# Altium PCB WX0.012.307PCB-4.2.PcbDoc (part 1 of 2)
Units mil, origin at the board's own origin, x right, y up, seen from the top; angles counter-clockwise.
Board outline 4856.3 x 9472.39 mil, 4 copper layers (Top Layer, GND, VCC, Bottom Layer), stack 62.248 mil thick; 200 components, 147 nets, 622 pads, 336 vias.
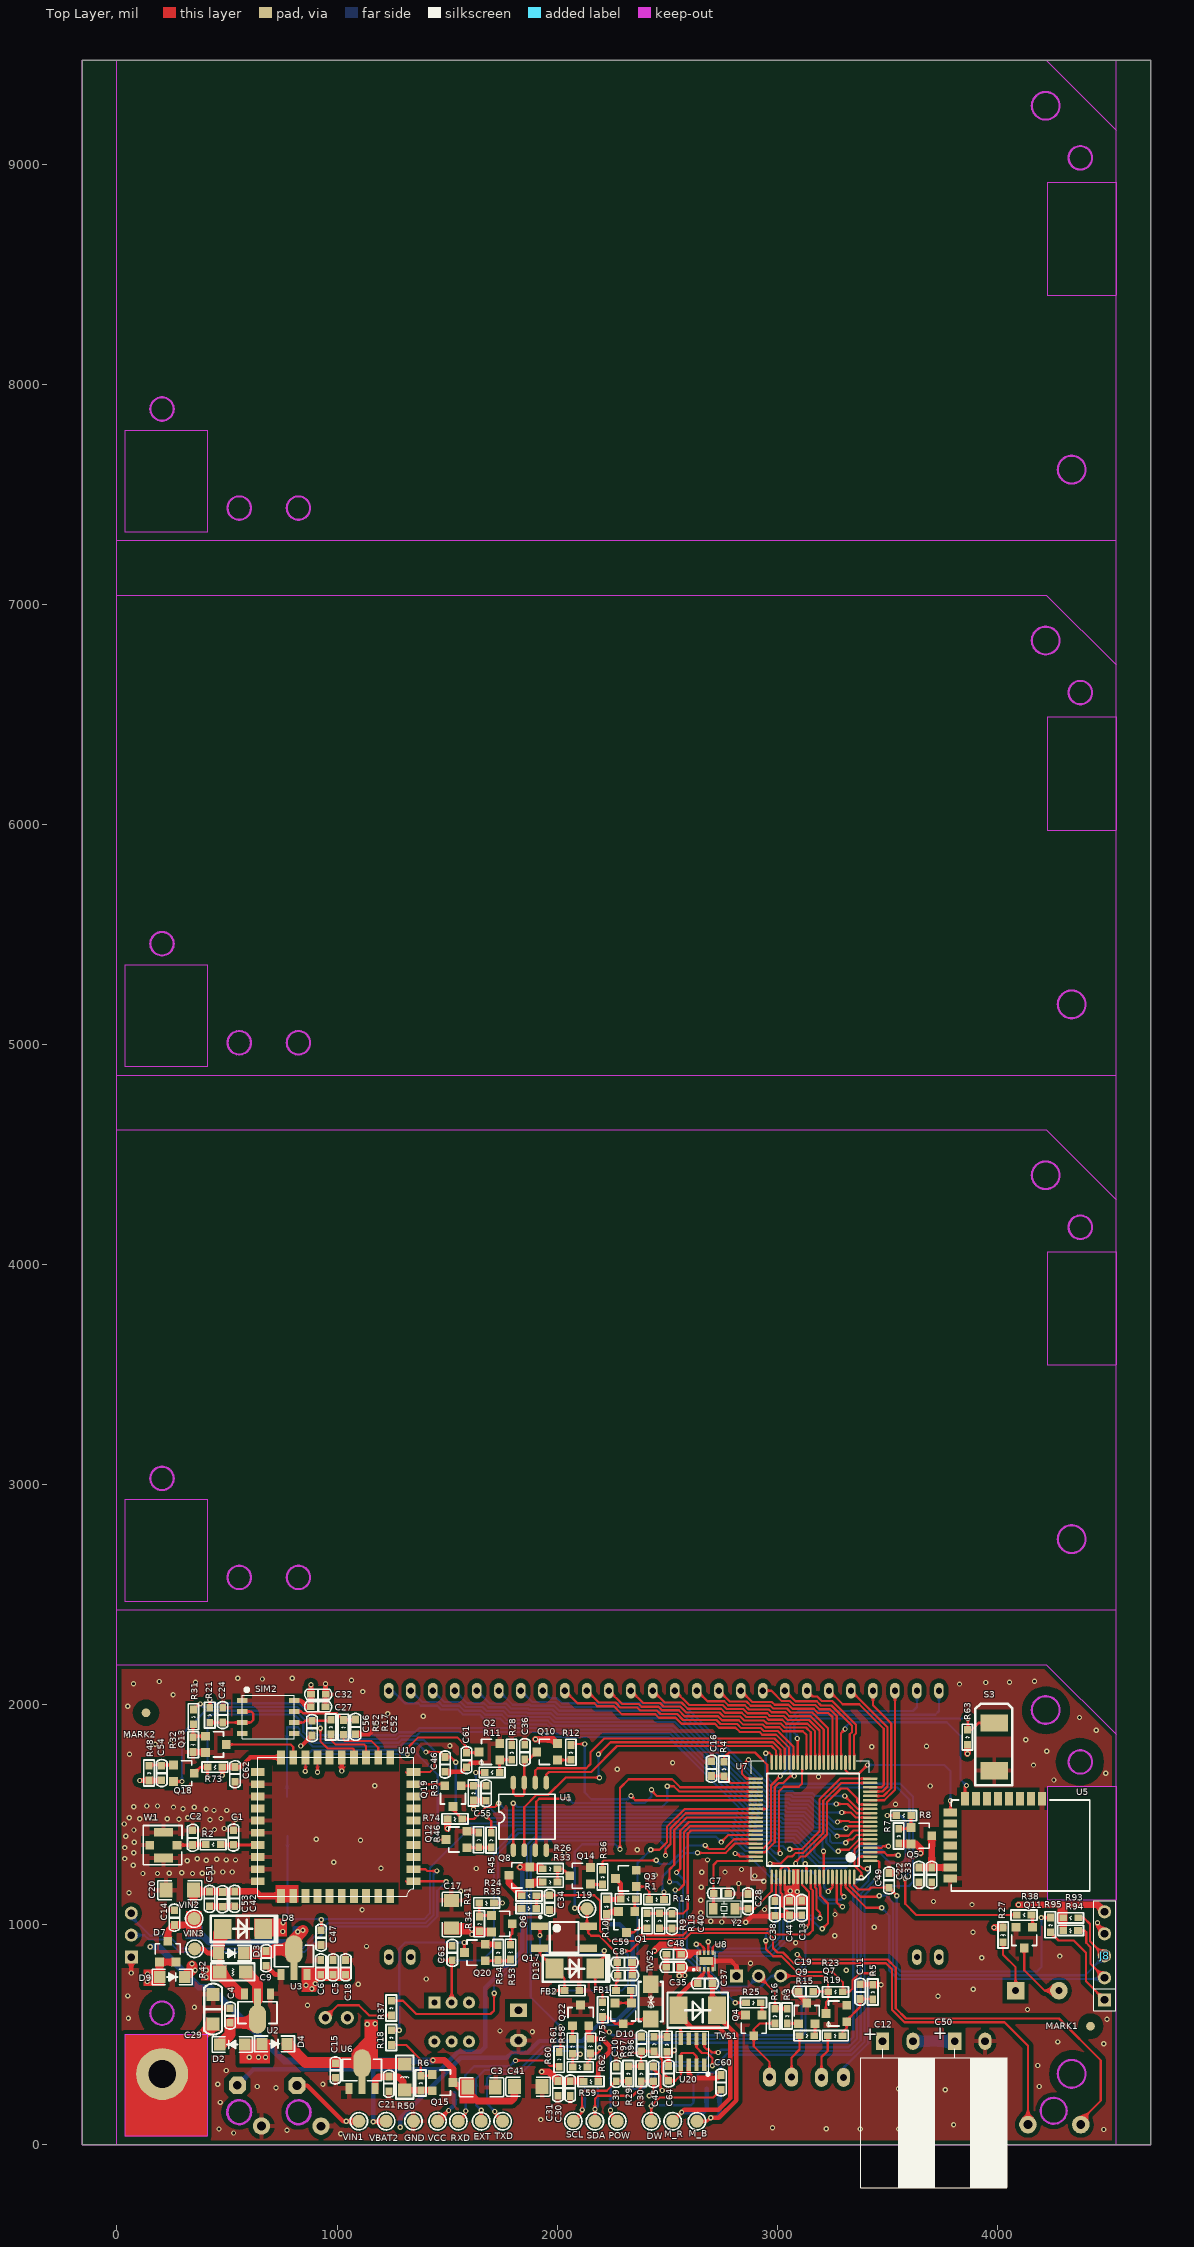
[diagram p0: Top Layer view]
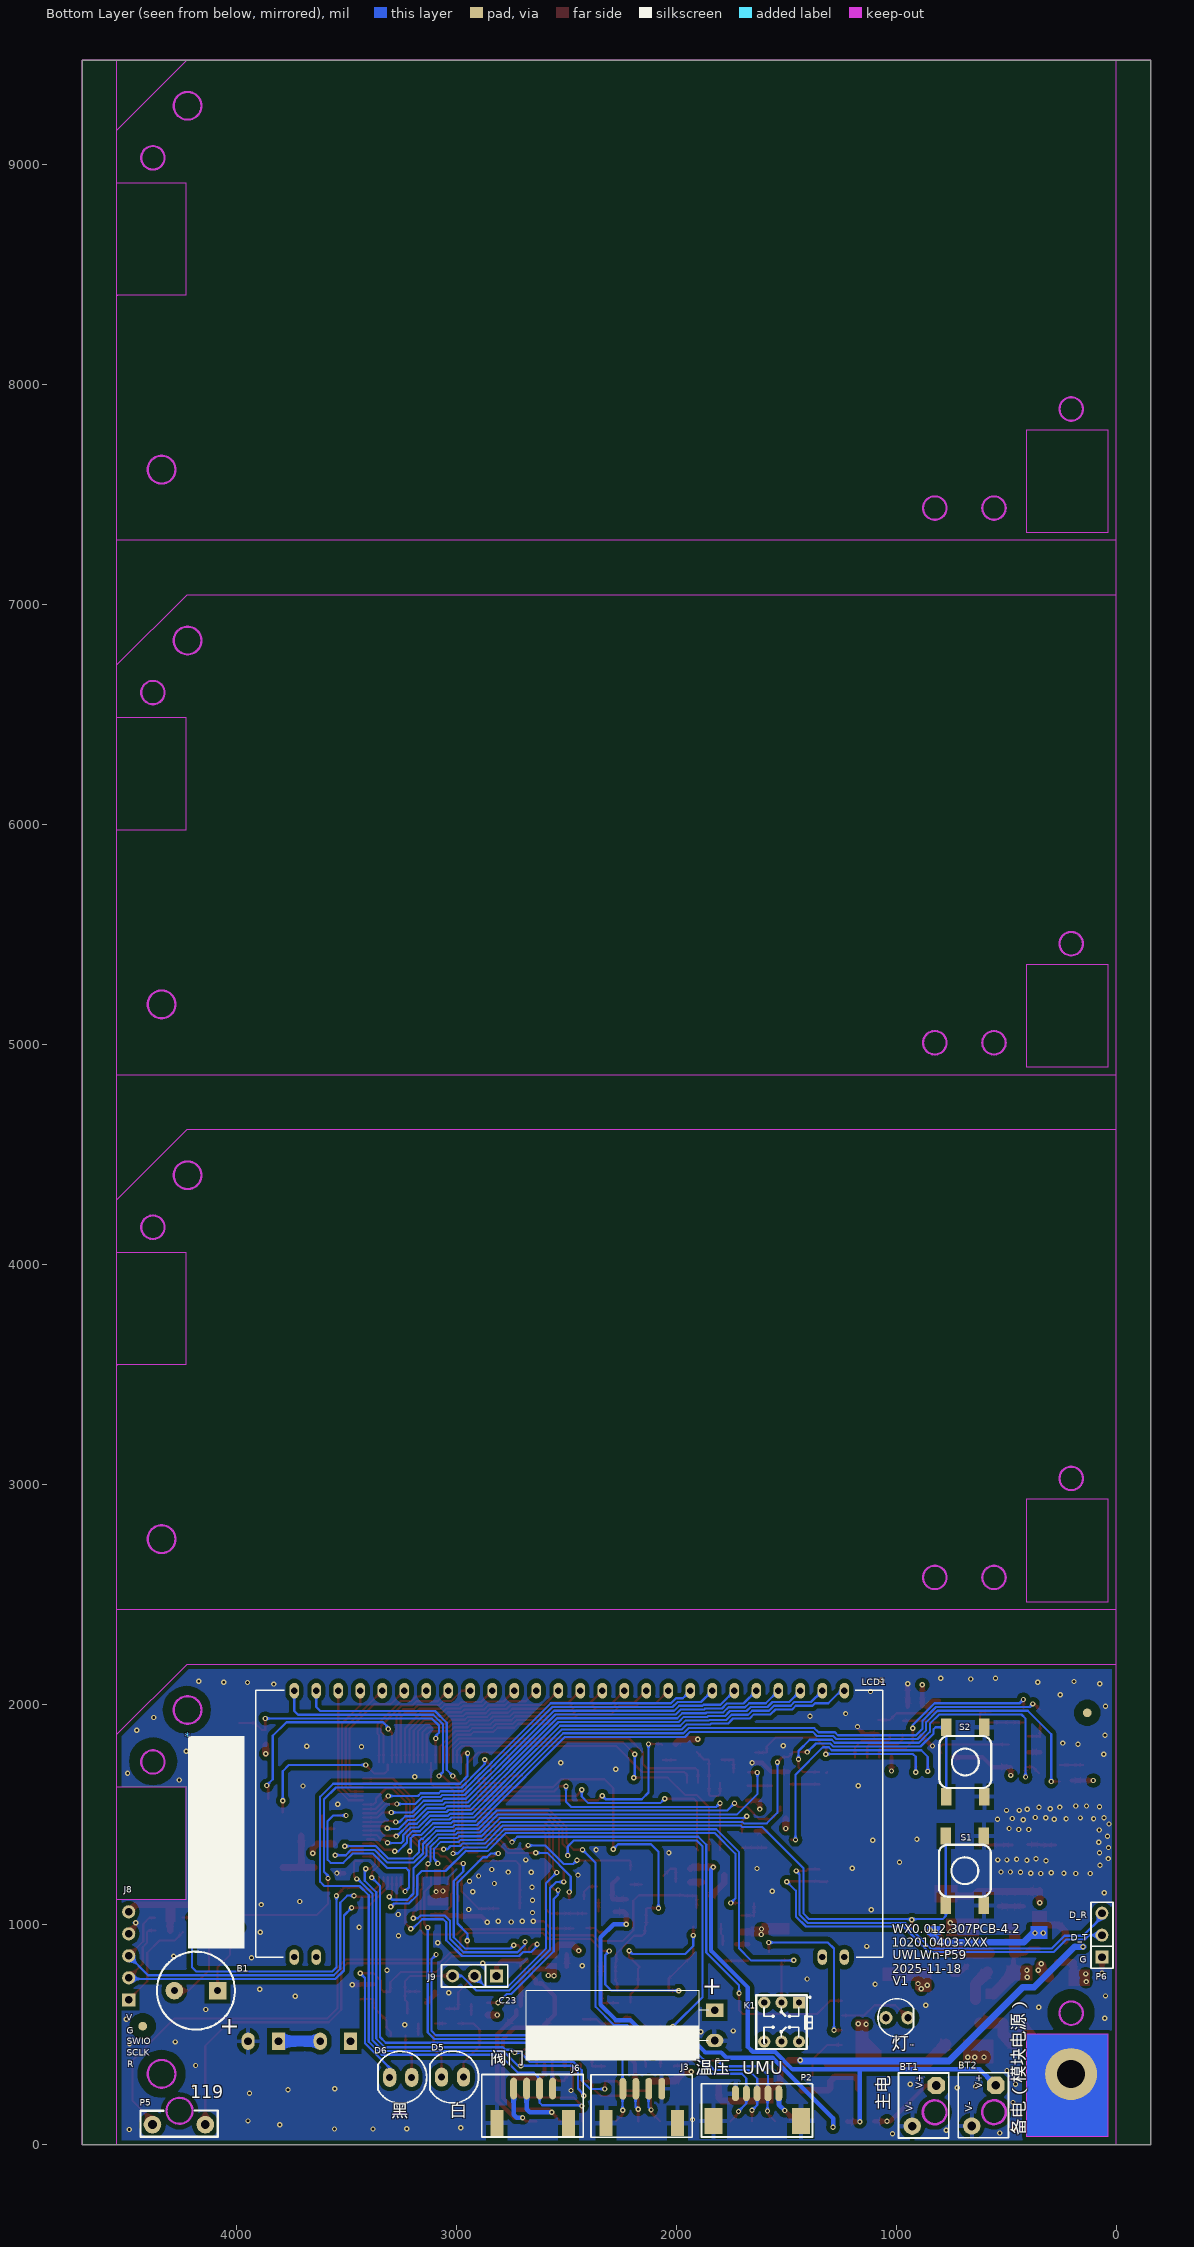
[diagram p1: Bottom Layer view, seen from below]
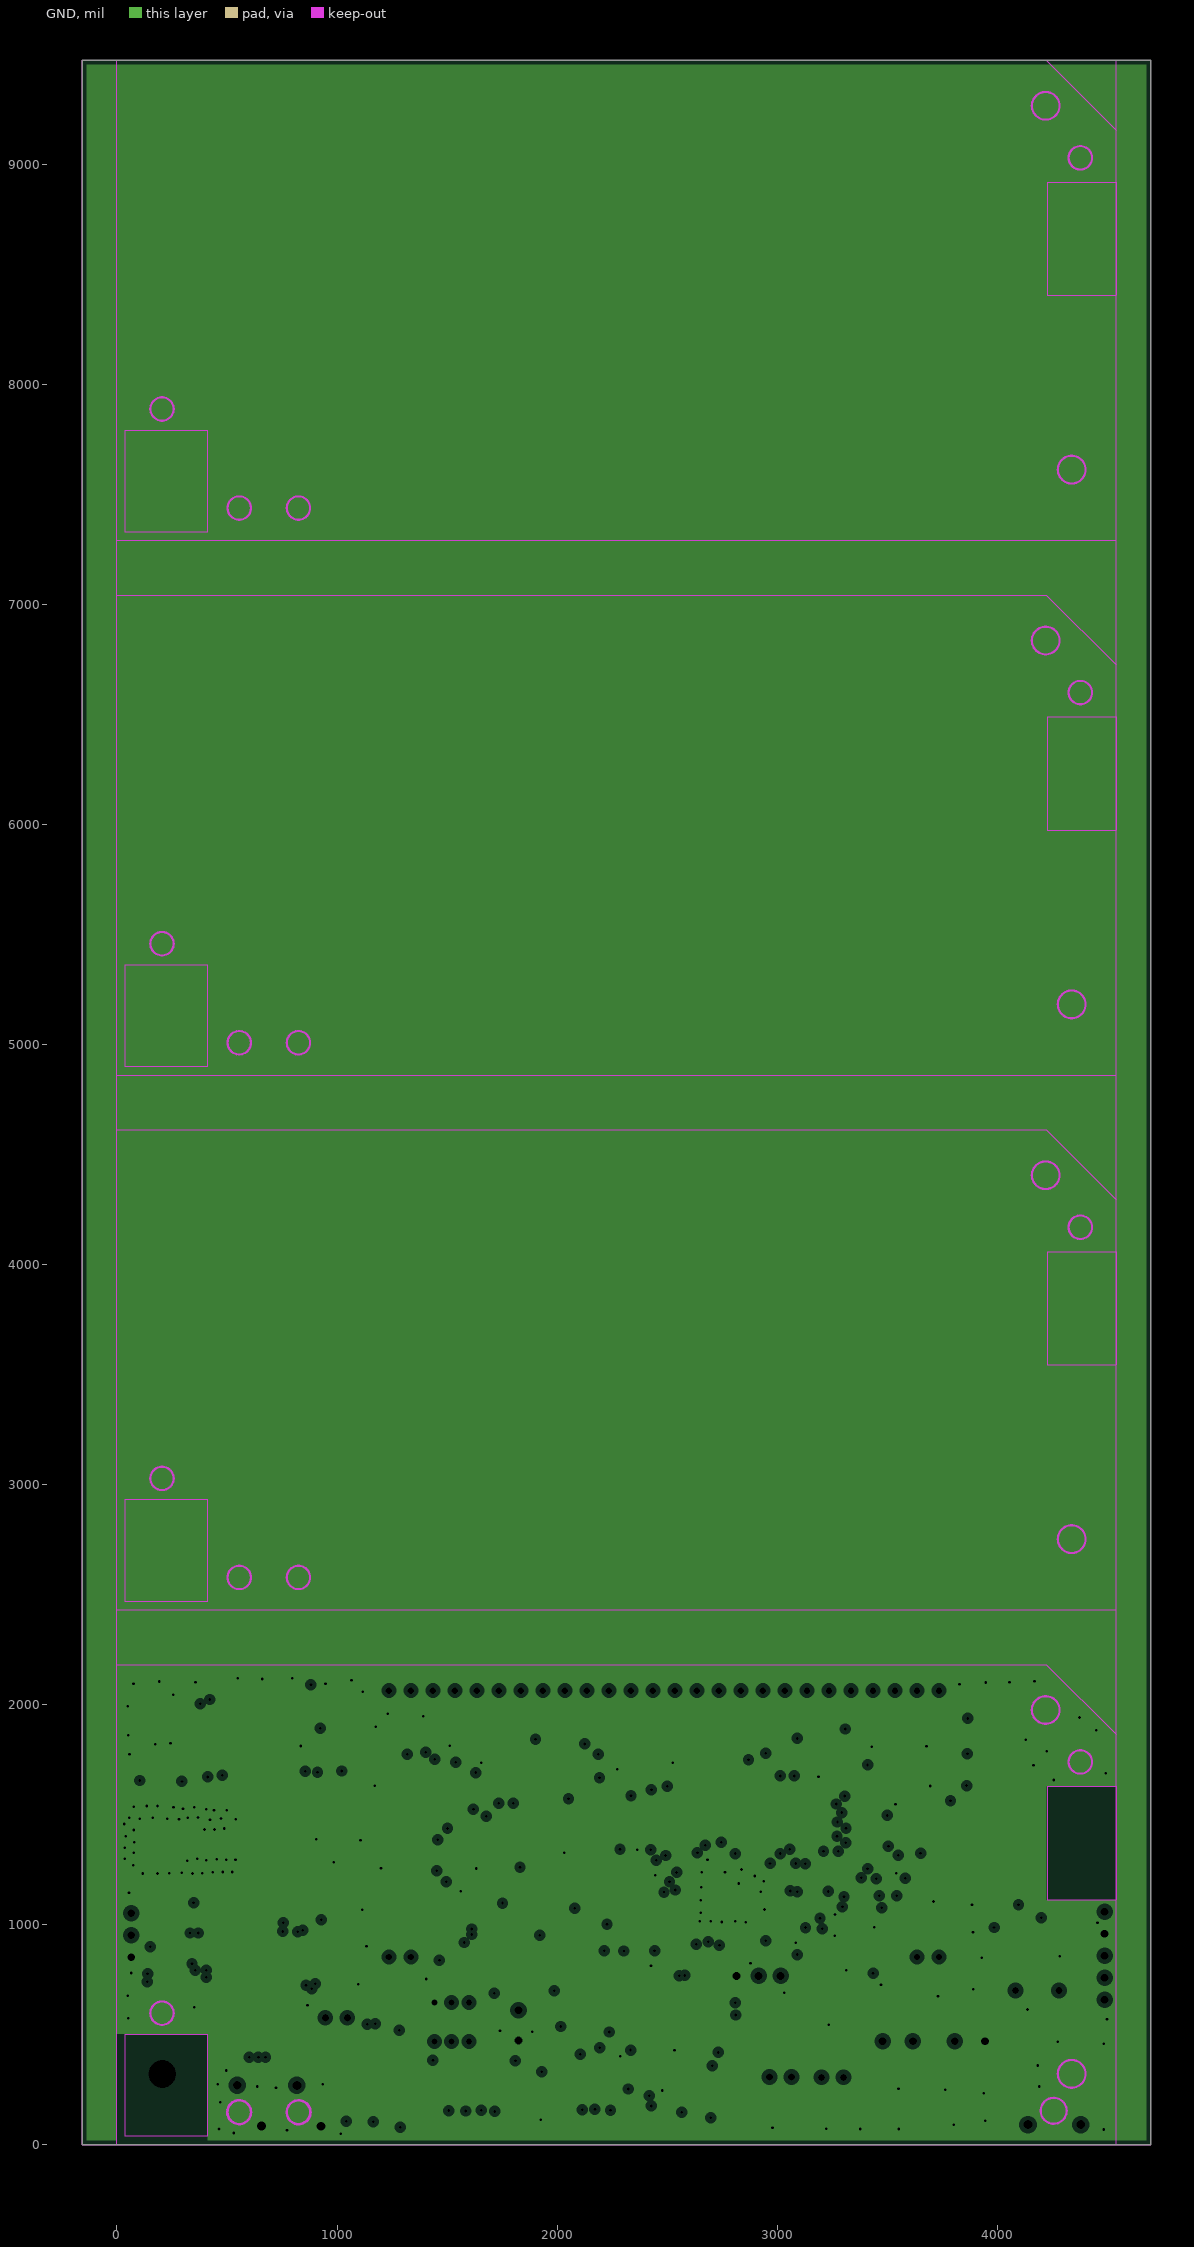
[diagram p2: GND, clearances drawn from the general rule]
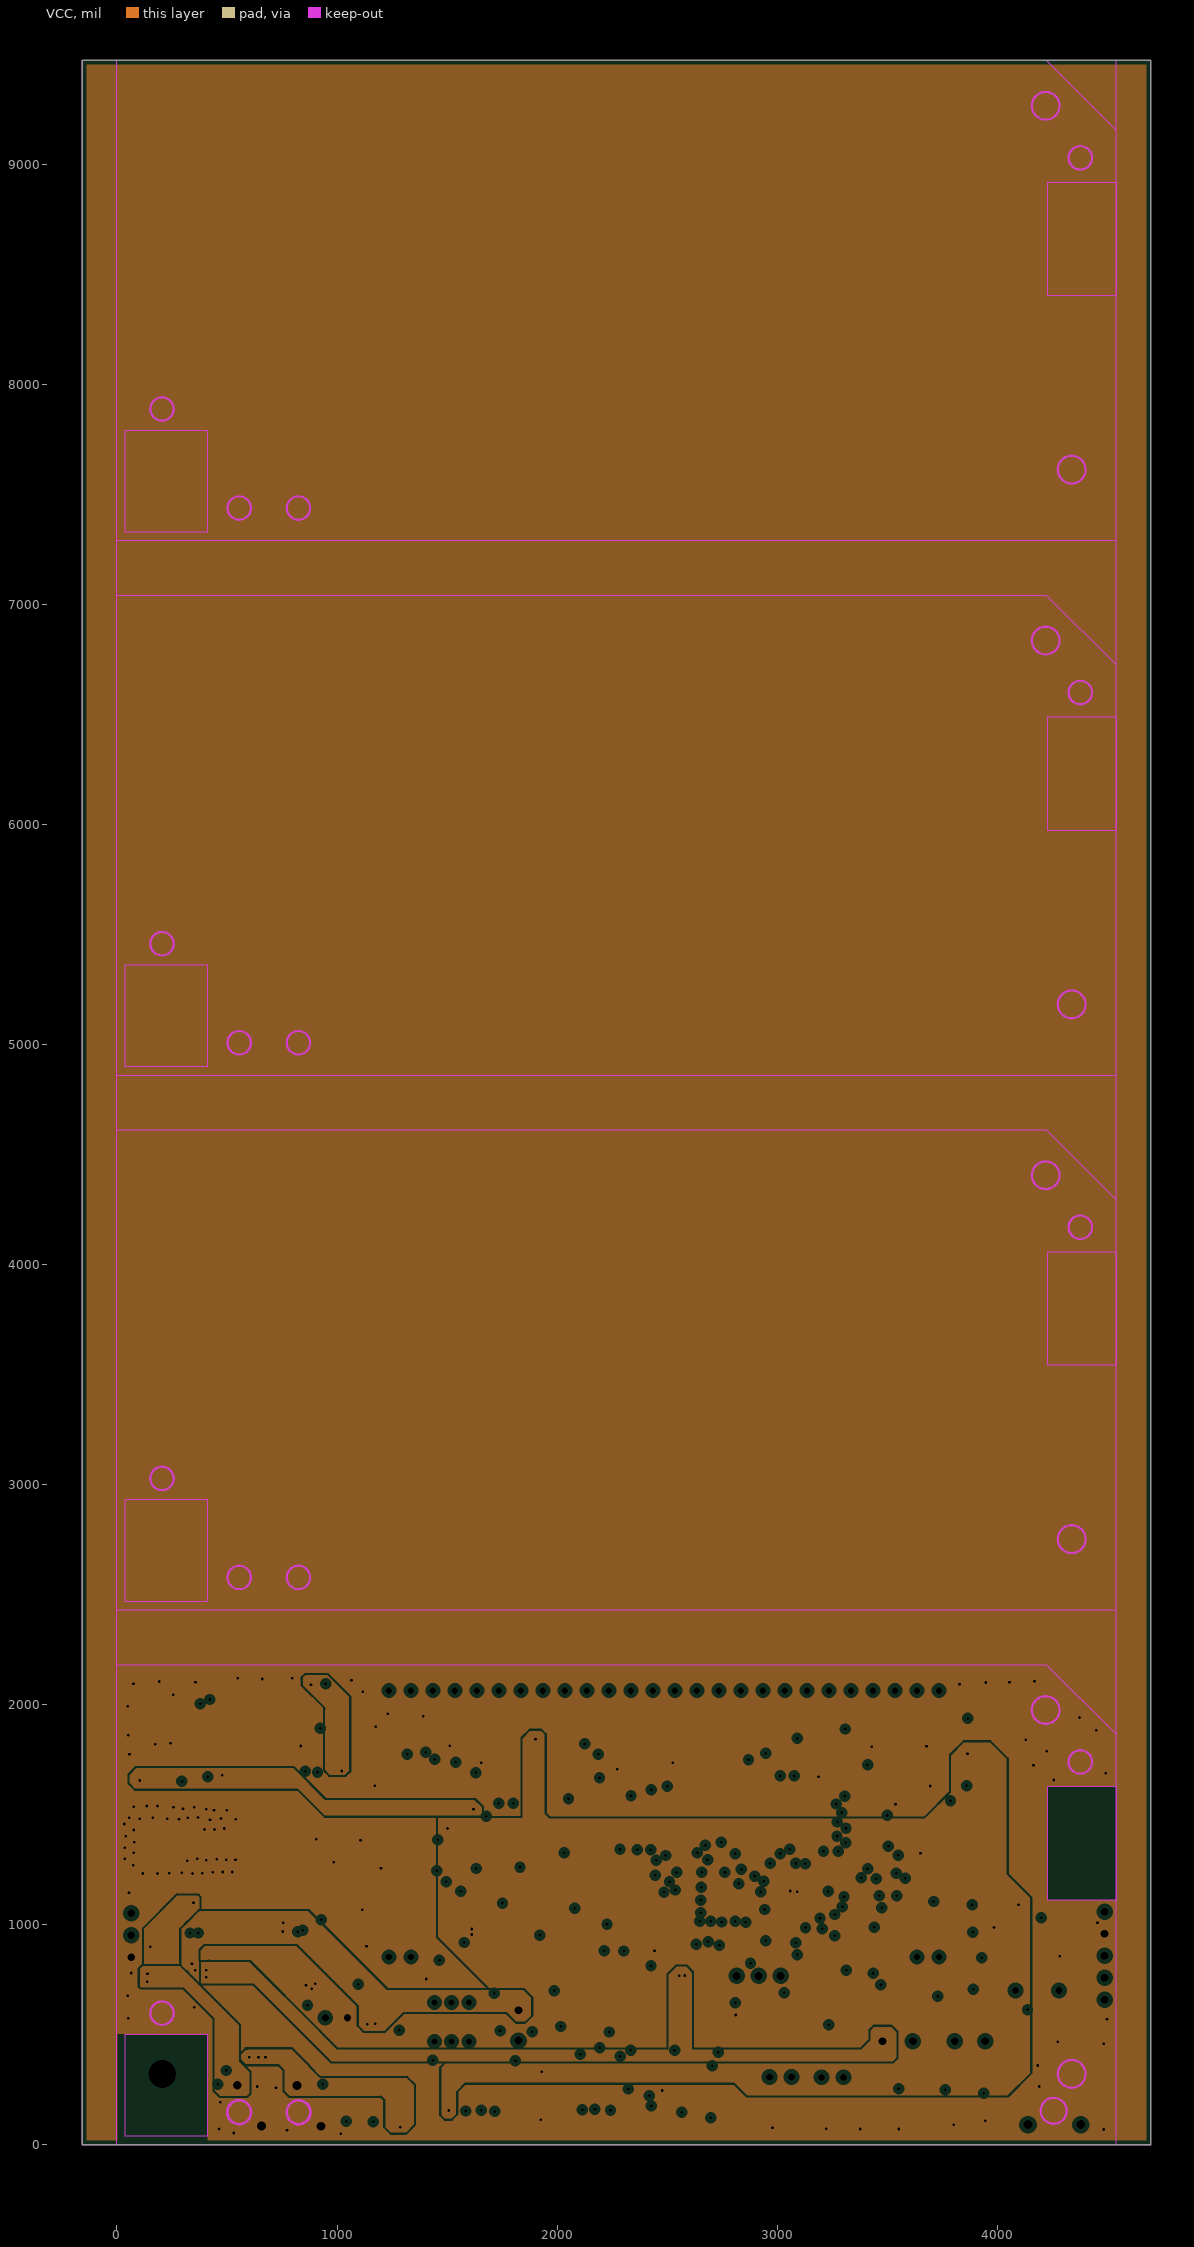
[diagram p3: VCC, clearances drawn from the general rule]

## Layer stack, top to bottom
Top Solder: solder mask 0.4, Solder Resist, Dk 3.5
Top Layer: signal copper 1.4
Dielectric 1: core 10, FR-4, Dk 4.2
GND: plane copper 1.4169, net GND
Dielectric 2: prepreg 36.6142, Dk 4.2
VCC: plane copper 1.4169, net (Multiple Nets)
Dielectric 3: core 10, Dk 4.2
Bottom Layer: signal copper 1.4
Bottom Solder: solder mask 0.4, Solder Resist, Dk 3.5

## Board outline
-157.48,-0.02 -157.48,9472.37 4698.82,9472.37 4698.82,-0.02

## Design rules (kind name [scope] priority, off if disabled: settings)
Clearance VIA-PAD-SAME [IsVia vs IsPad] p1: gap=15 ignorepadtopadclearanceinfootprint=FALSE except(0: Arc-Hole Track-Hole SMDPad-Via SMDPad-Hole THPad-Via THPad-Hole Via-Via Via-Hole Fill-Hole Poly-Hole Region-Hole Text-Hole)
Clearance VIA-VIA [ISVIA vs ISVIA] p2: gap=20 ignorepadtopadclearanceinfootprint=FALSE except(0: Arc-Hole Track-Hole SMDPad-Hole THPad-Hole Via-Hole Fill-Hole Poly-Hole Region-Hole Text-Hole)
Clearance VIA-PAD [ISVIA vs ISPAD] p3: gap=15 ignorepadtopadclearanceinfootprint=FALSE except(0: Arc-Hole Track-Hole SMDPad-Hole THPad-Hole Via-Hole Fill-Hole Poly-Hole Region-Hole Text-Hole)
Clearance VIA-TRACK [ISVIA vs ISTRACK] p4: gap=15 ignorepadtopadclearanceinfootprint=FALSE except(0: Arc-Hole Track-Hole SMDPad-Hole THPad-Hole Via-Hole Fill-Hole Poly-Hole Region-Hole Text-Hole)
Clearance Polygon [InPolygon] p5: gap=20 ignorepadtopadclearanceinfootprint=FALSE except(0: Arc-Hole Track-Hole SMDPad-Hole THPad-Hole Via-Hole Fill-Hole Poly-Hole Region-Hole Text-Hole)
Clearance [All] p6: gap=7 ignorepadtopadclearanceinfootprint=FALSE except(0: Arc-Hole Track-Hole SMDPad-Hole THPad-Hole Via-Hole Fill-Hole Poly-Hole Region-Hole Text-Hole)
ComponentClearance [All] p1 off: gap=10 collisioncheckmode=3 verticalgap=10 showdistances=FALSE
FabricationTestPointUsage TestPointUsage [All] p1: valid=0 allowmultiple=FALSE
FabricationTestpoint Testpoint [(IsPad And (OnTopLayer Or OnBottomLayer))] p1: side=3 testpointundercomponent=TRUE minsize=40 maxsize=100 preferedsize=60 minholesize=0 maxholesize=40 preferedholesize=32 testpointgrid=1 allowsidetop=TRUE allowsidebottom=TRUE usegrid=TRUE gridtolerance=0.01
HoleSize [All] p1 off: absolutevalues=TRUE maxlimit=300 minlimit=0 maxpercent=80.000 minpercent=20.000
HoleToHoleClearance [All] p1 off: gap=10 allowstackedmicrovias=TRUE
LayerPairs [All] p1 off: enforce=TRUE
MinimumSolderMaskSliver [All] p1 off: minsoldermaskwidth=10
NetAntennae [All] p1 off: netantennaetolerance=0
PlaneClearance [All] p1: clearance=20
PlaneConnect "VIA_Direct Connect" [IsVia] p1: planeconnectstyle=Direct reliefexpansion=20 reliefentries=4 reliefconductorwidth=10 reliefairgap=10
PlaneConnect PIN_HEADER1 [HasFootprint ('PIN254*')] p2: planeconnectstyle=NoConnect reliefexpansion=20 reliefentries=4 reliefconductorwidth=10 reliefairgap=10
PlaneConnect [All] p3: planeconnectstyle=Relief reliefexpansion=20 reliefentries=4 reliefconductorwidth=10 reliefairgap=10
PolygonConnect PIN_HEADER [All vs HasFootprint ('PIN254*')] p1: connectstyle=NoConnect reliefconductorwidth=10 reliefentries=4 polygonreliefangle="90 Angle" airgapwidth=20
PolygonConnect "DIP_Square Button_DPDT" [HasFootprint('KEY')  Or  HasFootprint('KFT DIP-5.8X5.8') vs InNet('GND')] p2: connectstyle=NoConnect reliefconductorwidth=10 reliefentries=4 polygonreliefangle="90 Angle" airgapwidth=20
PolygonConnect SMD_ELECT_CAP [HasFootprint('CAPSM_178_660_780')  Or  HasFootprint('CAPSM_400_1000_1050') Or  HasFootprint('SMD_C 10*10.2') vs Net Like ('*GND*')] p3: connectstyle=Relief reliefconductorwidth=40 reliefentries=4 polygonreliefangle="90 Angle" airgapwidth=20
PolygonConnect [isvia] p4: connectstyle=Direct reliefconductorwidth=15 reliefentries=4 polygonreliefangle="90 Angle" airgapwidth=10
PolygonConnect PolygonConnect_1 [All] p5: connectstyle=Relief reliefconductorwidth=20 reliefentries=4 polygonreliefangle="90 Angle" airgapwidth=20
RoutingVias [All] p1: holewidth=10 width=20 viastyle="Through Hole" minholewidth=5 minwidth=5 maxholewidth=50 maxwidth=100
SilkToBoardRegionClearance [All] p1 off:
SilkToSilkClearance [All] p1 off: silktosilkclearance=10
SilkToSolderMaskClearance [IsPad] p1 off: minsilkscreentomaskgap=10 clearancetoexposedcopper=TRUE
SolderMaskExpansion [All] p1: expansion=4
Width [All] p1: maxlimit=300 minlimit=8 preferedwidth=8
17 further rules are at their usual default settings.

## Classes and differential pairs
component class WX0.008.941DL: 119 * B1 BT1 BT2 C3 C4 C5 C6 C7 C8 C9 C10 C11 C12 C13 C14 C15 C16 C17 C18 C19 C20 C21 C23 C28 C29 C30 C31 C34 C35 C36 C37 C38 C39 C40 C41 C42 C44 C45 C46 C47 C48 C49 C50 C51 C53 C59 C60 C64 D1 D2 D3 D4 D5 D6 D7 D8 D9 D10 D13 DW EXT FB1 FB2 GND J3 J6 J8 J9 LCD1 M_B M_R MARK1 MARK2 P2 P5 POW Q1 Q3 Q4 Q6 Q7 Q8 Q9 Q10 Q11 Q14 Q15 Q17 Q20 Q22 R1 R3 R4 R5 R6 R9 R10 R12 R13 R14 R15 R16 R18 R19 R23 R24 R25 R26 R27 R29 R30 R33 R34 R35 R36 R37 R38 R41 R42 R50 R53 R54 R58 R59 R60 R61 R62 R75 R93 R94 R95 R96 R97 RXD S1 S2 SCL SDA TVS1 TVS2 TXD U1 U2 U3 U6 U7 U8 U20 VBAT2 VCC VIN1 VIN2 VIN3 Y2
component class WX0.008.942DL: C1 C2 C22 C24 C27 C32 C33 C52 C54 C55 C56 C61 C62 C63 K1 P6 Q2 Q5 Q12 Q13 Q18 Q19 R2 R7 R8 R11 R17 R21 R28 R31 R32 R45 R46 R48 R51 R52 R63 R73 R74 S3 SIM2 U5 U10 W1

## Components (designator, comment, footprint, x,y, rotation, side; value= is the part's Value field where it differs from the comment)
119 "TEST-PAD" TEST-PAD 2136,1072 r180 top
* "Bar Code1" "Bar Code1" 4218,1857 r270 bottom
B1 "HYT-0903" HYT-0903 4084,700 r0 bottom locked
BT1 "26500,3.6V" BATFOOT 872.61,176.5 r90 bottom
BT2 "26500,3.6V" BATFOOT 602,177 r90 bottom locked
C1 "NC" CAP0603 529,1363 r90 top
C2 "NC" CAP0603 344,1362 r90 top
C3 "100uF/16V" GRM31CR60J107ME39L 1594,261 r0 top
C4 "100nF/50V" CAP0603 514,554 r90 top
C5 "100nF/50V" CAP0603 982,773 r90 top
C6 "10uF/10V" CAP0603 926,773 r90 top
C7 "12pF/50V" CAP0603 2778,1141.63 r180 top
C8 "100nF/50V" CAP0603 2276,770 r0 top
C9 "10uF/10V" CAP0603 678,880 r270 top
C10 "100nF/50V" CAP0603 2384,425 r90 top
C11 "10pF/50V" CAP0603 3377,662 r90 top
C12 "1F/2.75V" "C-SUP-4P-H - L" 3548.32,478.66 r0 top
C13 "100nF/50V" CAP0603 3112,1042.63 r90 top
C14 "100nF/50V" CAP0603 261,999 r90 top
C15 "100nF/50V" CAP0603 993,370 r270 top
C16 "33pF/50V" CAP0603 2702,1675.63 r90 top
C17 "100uF/16V" GRM31CR60J107ME39L 1521,984 r90 top
C18 "22pF/50V" CAP0603 1039,773 r90 top
C19 "100pF/50V" CAP0603 3164,696 r180 top
C20 "100uF/16V" GRM31CR60J107ME39L 348,1157 r180 top
C21 "100nF/50V" CAP0603 1236,309.49 r270 top
C22 "10uF/10V" CAP0603 3645,1259 r270 top
C23 "1000uF/16V" CAPPC_500_800_2000R 1825,542 r270 bottom locked
C24 "33pF/50V" CAP0603 481,1985 r270 top
C27 "33pF/50V" CAP0603 947,1990 r180 top
C28 "12pF/50V" CAP0603 2868,1138.63 r270 top
C29 "103P/1KV" CAP1206 437,548 r90 top
C30 "10uF/10V" CAP0603 2060,288 r270 top
C31 "100nF/50V" CAP0603 2004,289 r270 top
C32 "100nF/50V" CAP0603 882,2047 r0 top
C33 "1uF/16V" CAP0603 3703,1259 r270 top
C34 "10pF/50V" CAP0603 1966,1067 r90 top
C35 "100nF/50V" CAP0603 2562.49,806.49 r180 top
C36 "100nF/50V" CAP0603 1853,1751 r90 top
C37 "100nF/50V" CAP0603 2639.49,732.49 r0 top
C38 "100nF/50V" CAP0603 2990,1107 r270 top
C39 "33pF/50V" CAP0603 2269,354.74 r270 top
C40 "10pF/50V" CAP0603 2522,983 r90 top
C41 "100uF/16V" GRM31CR60J107ME39L 1806,264 r0 top
C42 "10pF/50V" CAP0603 535,1150 r270 top
C44 "100nF/50V" CAP0603 3056,1041.63 r90 top
C45 "33pF/50V" CAP0603 2438.51,288.74 r90 top
C46 "100nF/50V" CAP0603 1491,1695 r90 top
C47 "100nF/50V" CAP0603 927,908 r90 top
C48 "100nF/50V" CAP0603 2497.49,865.49 r0 top
C49 "33pF/50V" CAP0603 3509,1233.63 r270 top
C50 "1F/2.75V" "C-SUP-4P-H - L" 3876.32,478.66 r0 top
C51 "100nF/50V" CAP0603 421,1150 r270 top
C52 "33pF/50V" CAP0603 1084,1866 r90 top
C53 "33pF/50V" CAP0603 479,1148 r270 top
C54 "1nF/50V" CAP0603 203,1656 r90 top
C55 "1nF/50V" CAP0603 1677,1564 r90 top
C56 "33pF/50V" CAP0603 886,1860.31 r90 top
C59 "10nF/50V" CAP0603 2274,828 r0 top
C60 "100nF/50V" CAP0603 2745,250 r90 top
C61 "33pF/50V" CAP0603 1588,1715 r90 top
C62 "1uF/16V" CAP0603 537,1716 r270 top
C63 "100nF/50V" CAP0603 1524,904 r270 top
C64 "100nF/50V" CAP0603 2507,291 r90 top
D1 "LED_T3R" LED3 996.77,576.77 r0 bottom locked
D2 "DS36W" SOD-123FL 584,455 r180 top
D3 "DS12W" SOD-123FL 459,870 r0 top
D4 "DS36W" SOD-123FL 656,458 r0 top
D5 "AT205B" IR_254_1000_500 3016,307 r180 bottom locked
D6 "AT405-PD-01" IR_254_1000_500 3252,306 r180 bottom locked
D7 "BAT54CLT1" SOT-23 231,877 r0 top
D8 "SS12" DO-214AC 573,981 r0 top
D9 "DS36W" SOD-123FL 191,762 r0 top
D10 "BAT54CLT1" SOT-23 2301,597 r180 top
D13 "M7A" DO-214AC 2081,800 r0 top
DW "TEST-PAD" TEST-PAD 2428,106.3 r0 top locked
EXT "TEST-PAD" TEST-PAD 1655.51,106.3 r90 top locked
FB1 "FB03SN3000_30R" IND0603 2268,701 r0 top
FB2 "FB03SN3000_30R" IND0603 2101,700 r180 top
GND "TEST-PAD" TEST-PAD 1347.44,106.3 r90 top locked
J3 "ZH150_1*4R" SMT-1.5-4 2154,254 r180 bottom locked
J6 "Header 4" SMT-1.5-4 2650,255 r180 bottom locked
J8 "Header 5" PIN254_1*5SR 4488,658 r90 top
J9 "PIN254_1*3*WXHJ" PIN254_1*3*WXHJ 2816,767 r0 bottom
K1 "SWT_6_700_700_1250" "KFT DIP-5.8X5.8" 1521,557 r270 bottom locked
LCD1 "JR" PCBComponent_1 2485.54,1457.86 r180 bottom locked
M_B "TEST-PAD" TEST-PAD 2635.83,106.3 r90 top locked
M_R "TEST-PAD" TEST-PAD 2525.59,106.3 r90 top locked
MARK1 "MARK" MARK 4424.21,538.39 r90 top locked
MARK2 "MARK" MARK 131.89,1962.6 r90 top locked
P2 "SM05B" SMT-1.25-5 1632,170 r180 bottom locked
P5 "90 mm    WX100.060.LJ" WXHJ_Connect_01 4140,91 r90 bottom locked
P6 "模块调试" PIN254_1*3*WXHJ 65,852 r90 bottom